# KiCad board 3ric.kicad_pcb
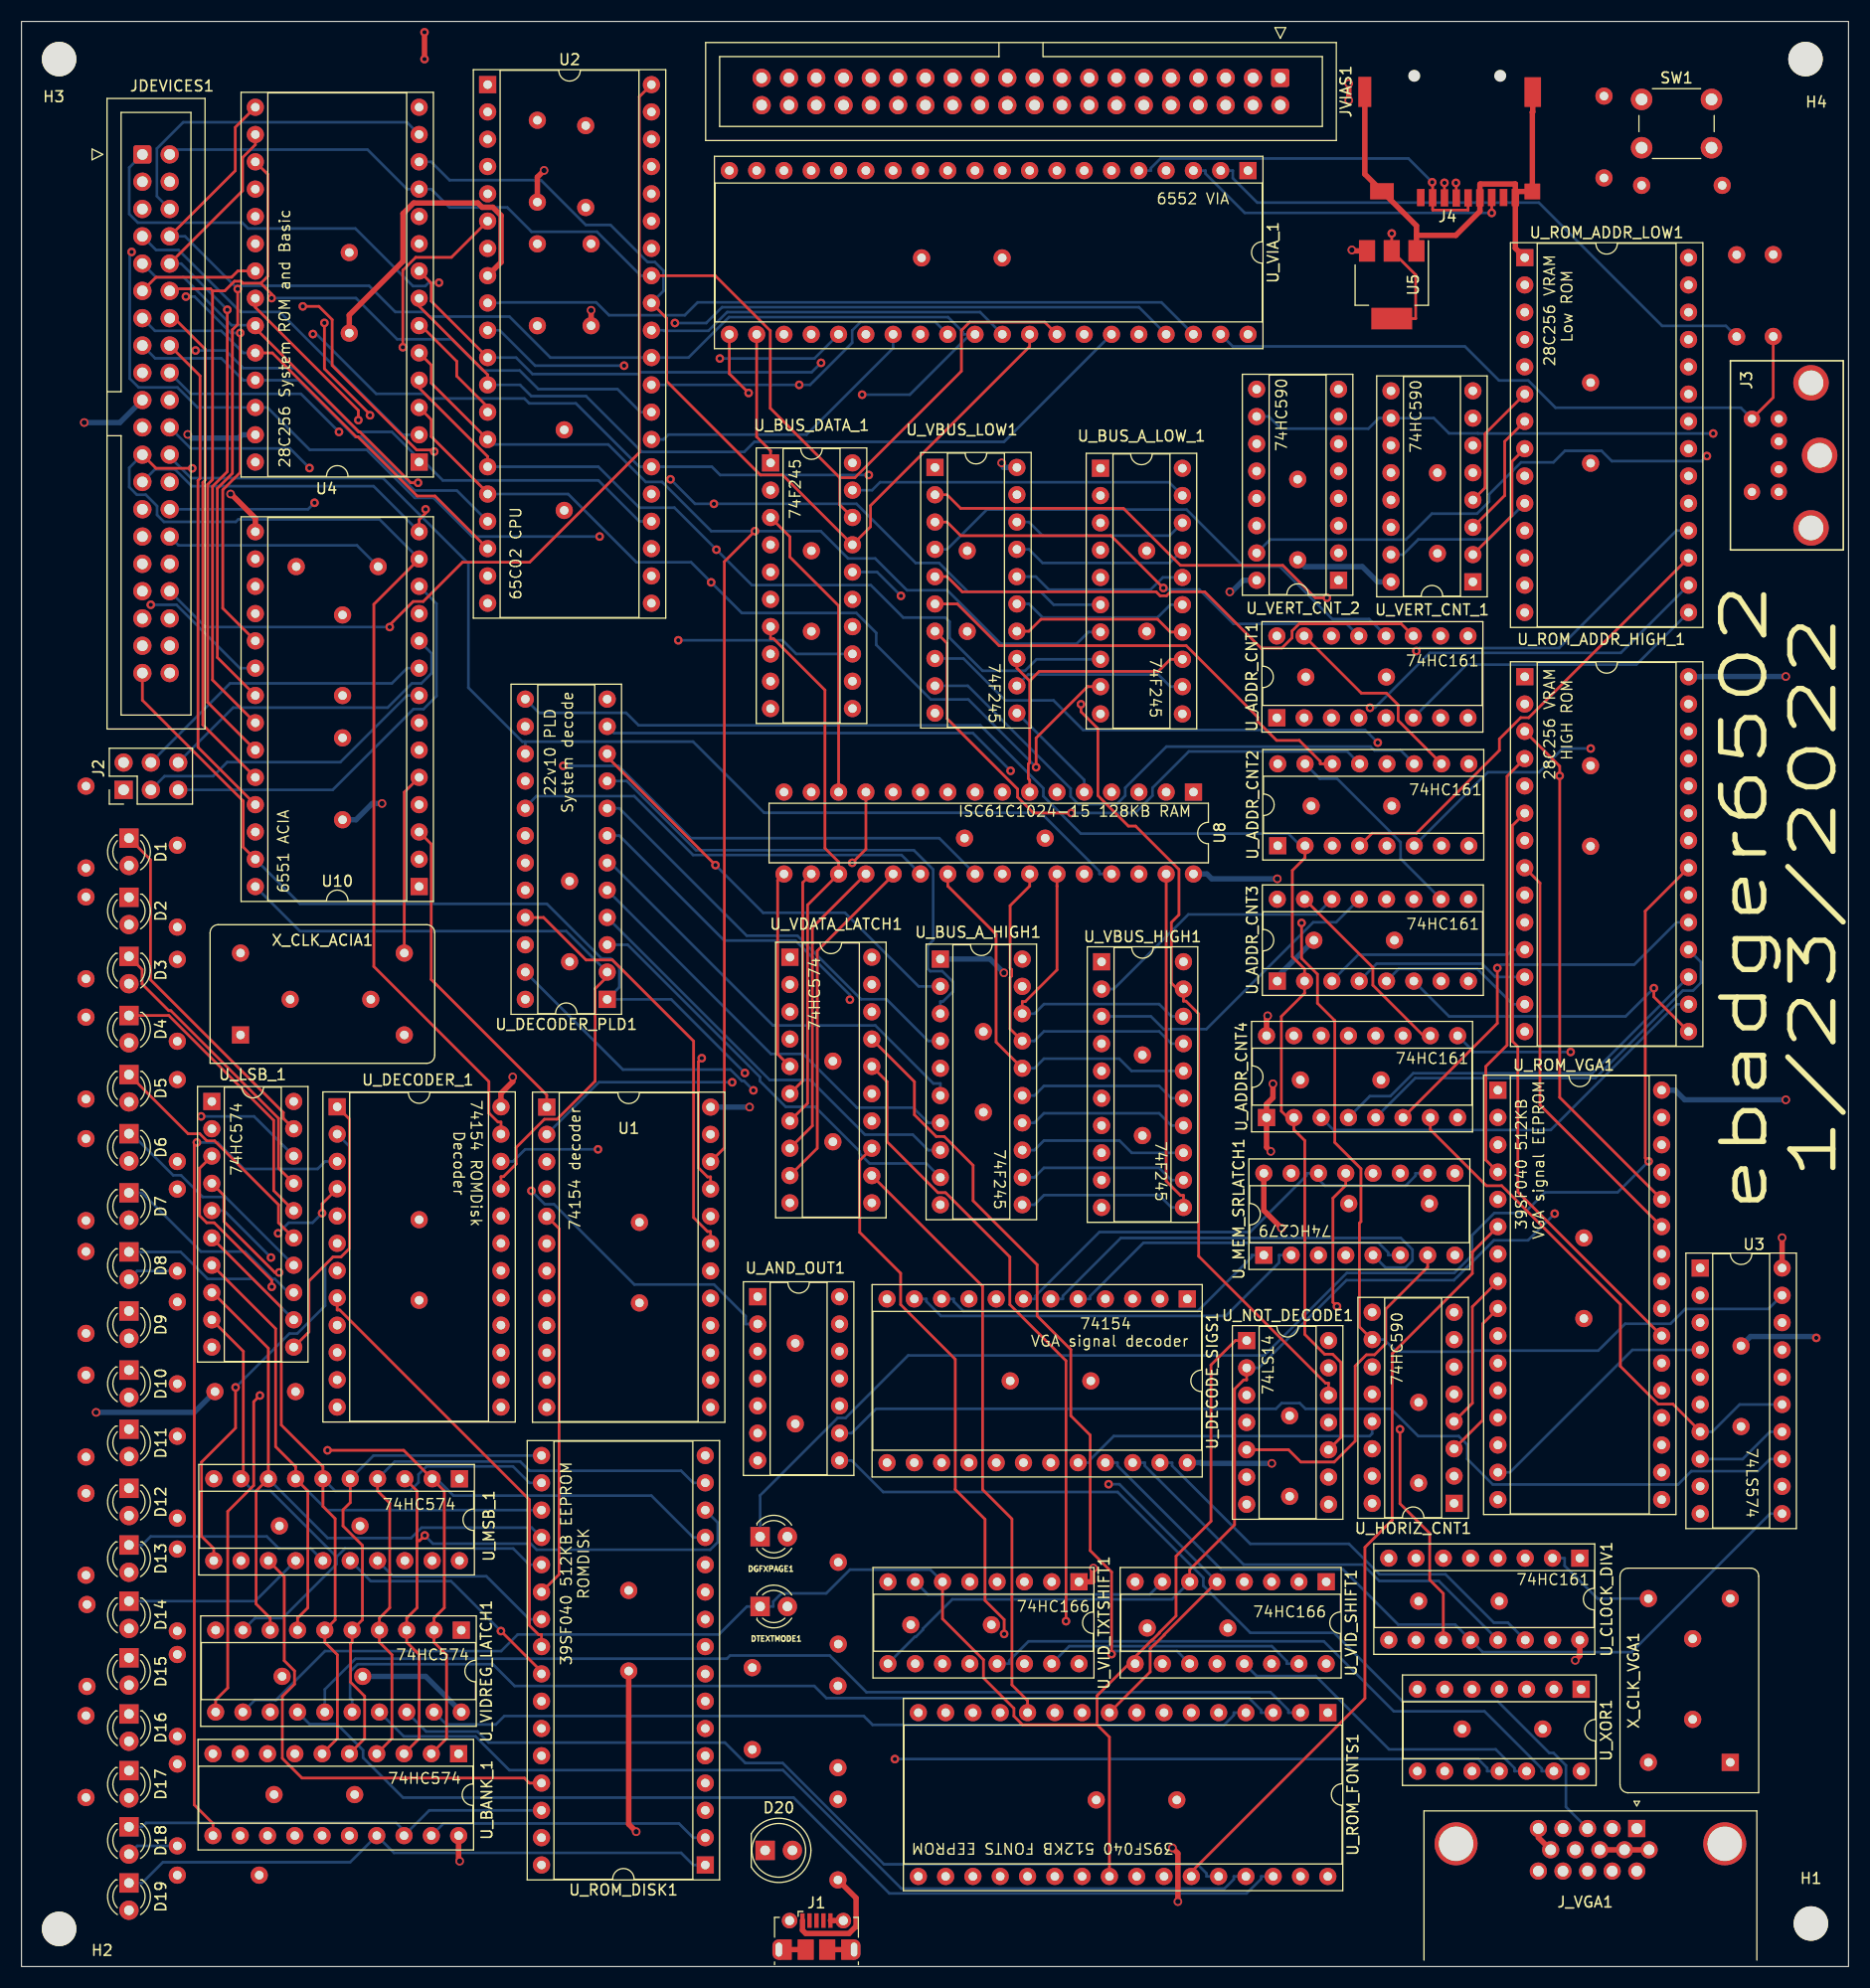
[diagram p0: board, top side]
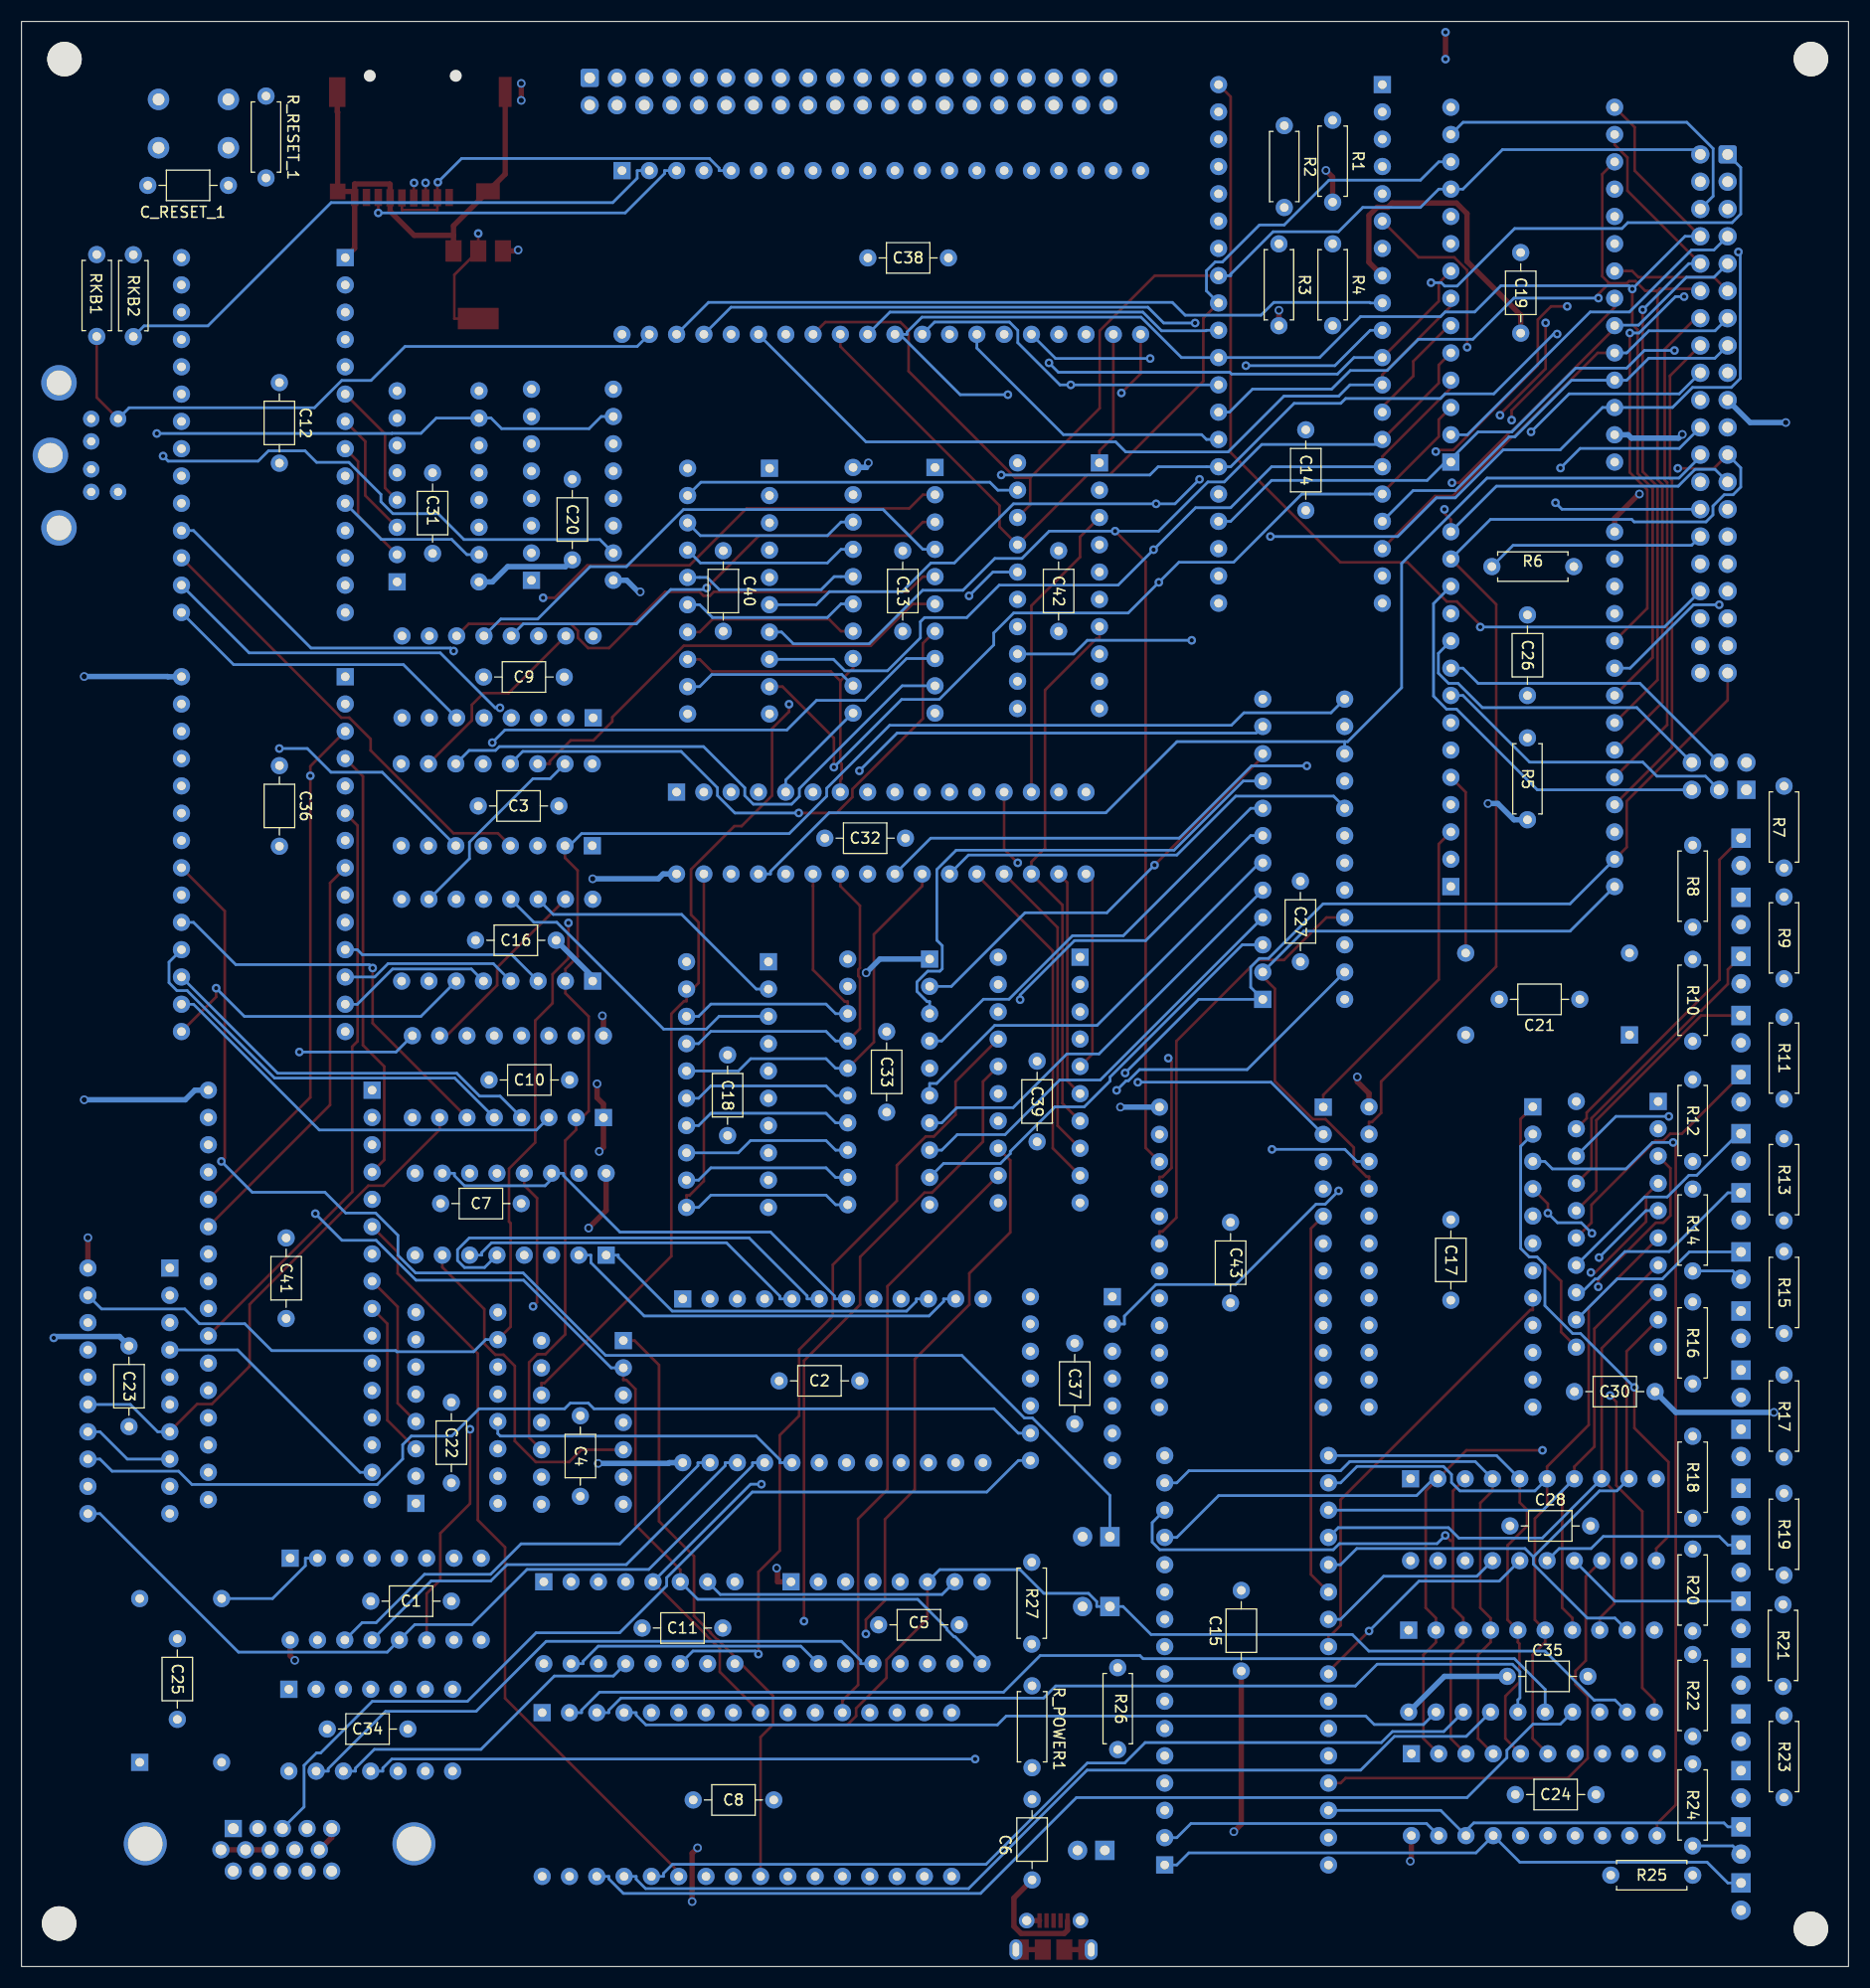
[diagram p1: board, bottom side, seen from below]

Outline 170 x 181 mm; copper layers: Top, In1.Cu, In2.Cu (plane), Bottom. Coordinates in mm from the lower left corner of the outline.
Outline path: rectangle 0,181 170,0
Stack: Top 0.035mm / dielectric 1.51mm FR4 er 4.5 / In1.Cu 0.035mm / dielectric 1.51mm FR4 er 4.5 / In2.Cu 0.035mm / dielectric 1.51mm FR4 er 4.5 / Bottom 0.035mm

## Placement (name value [footprint] x y rotation side)
C1  0.1µF  [C_Axial_L3.8mm_D2.6mm_P7.50mm_Horizontal]  137.5 34 180 bottom
C2  0.1µF  [C_Axial_L3.8mm_D2.6mm_P7.50mm_Horizontal]  99.5 54.5 180 bottom
C3  0.1µF  [C_Axial_L3.8mm_D2.6mm_P7.50mm_Horizontal]  120 108 0 bottom
C4  0.1µF  [C_Axial_L3.8mm_D2.6mm_P7.50mm_Horizontal]  118 51.25 270 bottom
C5  0.1µF  [C_Axial_L3.8mm_D2.6mm_P7.50mm_Horizontal]  90.25 31.8 180 bottom
C6  0.1µF  [C_Axial_L3.8mm_D2.6mm_P7.50mm_Horizontal]  75.97 8.06 90 bottom
C7  0.1µF  [C_Axial_L3.8mm_D2.6mm_P7.50mm_Horizontal]  123.5 71 0 bottom
C8  0.1µF  [C_Axial_L3.8mm_D2.6mm_P7.50mm_Horizontal]  107.5 15.5 180 bottom
C9  0.1µF  [C_Axial_L3.8mm_D2.6mm_P7.50mm_Horizontal]  119.5 120 0 bottom
C10  0.1µ  [C_Axial_L3.8mm_D2.6mm_P7.50mm_Horizontal]  119 82.5 0 bottom
C11  0.1µF  [C_Axial_L3.8mm_D2.6mm_P7.50mm_Horizontal]  112.25 31.5 180 bottom
C12  0.1µF  [C_Axial_L3.8mm_D2.6mm_P7.50mm_Horizontal]  146 147.4 270 bottom
C13  0.1µ  [C_Axial_L3.8mm_D2.6mm_P7.50mm_Horizontal]  88 131.75 270 bottom
C14  0.1µ  [C_Axial_L3.8mm_D2.6mm_P7.50mm_Horizontal]  50.5 143 270 bottom
C15  0.1µ  [C_Axial_L3.8mm_D2.6mm_P7.50mm_Horizontal]  56.5 27.5 90 bottom
C16  0.1µ  [C_Axial_L3.8mm_D2.6mm_P7.50mm_Horizontal]  120.25 95.5 0 bottom
C17  0.1µ  [C_Axial_L3.8mm_D2.6mm_P7.50mm_Horizontal]  37 69.5 270 bottom
C18  0.1µF  [C_Axial_L3.8mm_D2.6mm_P7.50mm_Horizontal]  104.3 84.83 270 bottom
C19  0.1µF  [C_Axial_L3.8mm_D2.6mm_P7.50mm_Horizontal]  30.5 152 90 bottom
C20  0.1µF  [C_Axial_L3.8mm_D2.6mm_P7.50mm_Horizontal]  118.75 130.9 90 bottom
C21  0.1µF  [C_Axial_L3.8mm_D2.6mm_P7.50mm_Horizontal]  25 90 0 bottom
C22  0.1µF  [C_Axial_L3.8mm_D2.6mm_P7.50mm_Horizontal]  130 45 90 bottom
C23  0.1µF  [C_Axial_L3.8mm_D2.6mm_P7.50mm_Horizontal]  160 57.75 270 bottom
C24  0.1µF  [C_Axial_L3.8mm_D2.6mm_P7.50mm_Horizontal]  31 16 180 bottom
C25  0.1µF  [C_Axial_L3.8mm_D2.6mm_P7.50mm_Horizontal]  155.5 23 90 bottom
C26  0.1µF  [C_Axial_L3.8mm_D2.6mm_P7.50mm_Horizontal]  29.88 125.78 270 bottom
C27  0.1µF  [C_Axial_L3.8mm_D2.6mm_P7.50mm_Horizontal]  51 93.5 90 bottom
C28  0.1µF  [C_Axial_L3.8mm_D2.6mm_P7.50mm_Horizontal]  31.5 41 180 bottom
C30  0.1µF  [C_Axial_L3.8mm_D2.6mm_P7.50mm_Horizontal]  18 53.5 0 bottom
C31  0.1µF  [C_Axial_L3.8mm_D2.6mm_P7.50mm_Horizontal]  131.75 131.5 90 bottom
C32  0.1µF  [C_Axial_L3.8mm_D2.6mm_P7.50mm_Horizontal]  95.25 105 180 bottom
C33  0.1µF  [C_Axial_L3.8mm_D2.6mm_P7.50mm_Horizontal]  89.5 87 270 bottom
C34  0.1µF  [C_Axial_L3.8mm_D2.6mm_P7.50mm_Horizontal]  141.55 22.1 180 bottom
C35  0.1µF  [C_Axial_L3.8mm_D2.6mm_P7.50mm_Horizontal]  31.75 27 180 bottom
C36  0.1µF  [C_Axial_L3.8mm_D2.6mm_P7.50mm_Horizontal]  146 111.75 270 bottom
C37  0.1µF  [C_Axial_L3.8mm_D2.6mm_P7.50mm_Horizontal]  72 58 270 bottom
C38  0.1µF  [C_Axial_L3.8mm_D2.6mm_P7.50mm_Horizontal]  83.75 159 0 bottom
C39  0.1µF  [C_Axial_L3.8mm_D2.6mm_P7.50mm_Horizontal]  75.5 84.25 270 bottom
C40  0.1µF  [C_Axial_L3.8mm_D2.6mm_P7.50mm_Horizontal]  104.7 131.75 270 bottom
C41  0.1µF  [C_Axial_L3.8mm_D2.6mm_P7.50mm_Horizontal]  145.38 67.8 270 bottom
C42  0.1µF  [C_Axial_L3.8mm_D2.6mm_P7.50mm_Horizontal]  73.5 131.75 270 bottom
C43  0.1µF  [C_Axial_L3.8mm_D2.6mm_P7.50mm_Horizontal]  57.5 69.25 270 bottom
C_RESET_1  0.1µF  [C_Axial_L3.8mm_D2.6mm_P7.50mm_Horizontal]  158.25 165.75 180 bottom
D1  LED  [LED_D3.0mm]  10 105 270 top
D2  LED  [LED_D3.0mm]  10 99.5 270 top
D3  LED  [LED_D3.0mm]  10 94 270 top
D4  LED  [LED_D3.0mm]  10 88.5 270 top
D5  LED  [LED_D3.0mm]  10 83 270 top
D6  LED  [LED_D3.0mm]  10 77.5 270 top
D7  LED  [LED_D3.0mm]  10 72 270 top
D8  LED  [LED_D3.0mm]  10 66.5 270 top
D9  LED  [LED_D3.0mm]  10 61 270 top
D10  LED  [LED_D3.0mm]  10 55.5 270 top
D11  LED  [LED_D3.0mm]  10 50 270 top
D12  LED  [LED_D3.0mm]  10 44.5 270 top
D13  LED  [LED_D3.0mm]  10 39.22 270 top
D14  LED  [LED_D3.0mm]  10 34 270 top
D15  LED  [LED_D3.0mm]  10 28.72 270 top
D16  LED  [LED_D3.0mm]  10 23.5 270 top
D17  LED  [LED_D3.0mm]  10 18.22 270 top
D18  LED  [LED_D3.0mm]  10 13 270 top
D19  LED  [LED_D3.0mm]  10 7.78 270 top
D20  LED  [LED_D5.0mm]  69.19 10.81 0 top
DGFXPAGE1  LED  [LED_D3.0mm]  68.72 40 0 top
DTEXTMODE1  LED  [LED_D3.0mm]  68.72 33.5 0 top
H1  MountingHole  [MountingHole_3.2mm_M3]  166.5 4 0 top
H2  MountingHole  [MountingHole_3.2mm_M3]  3.5 3.5 0 top
H3  MountingHole  [MountingHole_3.2mm_M3]  3.5 177.5 0 top
H4  MountingHole  [MountingHole_3.2mm_M3]  166 177.5 0 top
J1  USB_B_Micro  [USB_Micro-B_Molex-105017-0001]  73.97 2.81 0 top
J2  Conn_02x03_Odd_Even  [PinHeader_2x03_P2.54mm_Vertical]  9.5 109.5 90 top
J3  PS/2 keyboard  [MINI-DIN-6-FULL-SHIELD]  172.01 140.62 270 top
J4  Micro_SD_Card  [microSD_Amazon2]  132.87 172.73 180 top
J_VGA1  DB15_Female_HighDensity  [DSUB-15-HD_Female_Horizontal_P2.29x1.98mm_EdgePinOffset8.35mm_Housed_MountingHolesOffset10.89mm]  150.3 12.84 0 top
JDEVICES1  Conn_02x20_Top_Bottom  [IDC-Header_2x20_P2.54mm_Vertical]  11.25 168.63 0 top
JVIAS1  Conn_02x20_Top_Bottom  [IDC-Header_2x20_P2.54mm_Vertical]  117.13 175.75 270 top
R1  1K  [R_Axial_DIN0207_L6.3mm_D2.5mm_P7.62mm_Horizontal]  48 171.81 270 bottom
R2  1K  [R_Axial_DIN0207_L6.3mm_D2.5mm_P7.62mm_Horizontal]  52.5 171.31 270 bottom
R3  1K  [R_Axial_DIN0207_L6.3mm_D2.5mm_P7.62mm_Horizontal]  53 160.31 270 bottom
R4  1K  [R_Axial_DIN0207_L6.3mm_D2.5mm_P7.62mm_Horizontal]  48 160.31 270 bottom
R5  1K  [R_Axial_DIN0207_L6.3mm_D2.5mm_P7.62mm_Horizontal]  29.88 114.33 270 bottom
R6  1K  [R_Axial_DIN0207_L6.3mm_D2.5mm_P7.62mm_Horizontal]  33.19 130.28 180 bottom
R7  220  [R_Axial_DIN0207_L6.3mm_D2.5mm_P7.62mm_Horizontal]  6 102.22 90 bottom
R8  220  [R_Axial_DIN0207_L6.3mm_D2.5mm_P7.62mm_Horizontal]  14.5 96.72 90 bottom
R9  220  [R_Axial_DIN0207_L6.3mm_D2.5mm_P7.62mm_Horizontal]  6 91.92 90 bottom
R10  220  [R_Axial_DIN0207_L6.3mm_D2.5mm_P7.62mm_Horizontal]  14.5 93.72 270 bottom
R11  220  [R_Axial_DIN0207_L6.3mm_D2.5mm_P7.62mm_Horizontal]  6 80.72 90 bottom
R12  220  [R_Axial_DIN0207_L6.3mm_D2.5mm_P7.62mm_Horizontal]  14.5 74.92 90 bottom
R13  220  [R_Axial_DIN0207_L6.3mm_D2.5mm_P7.62mm_Horizontal]  6 69.41 90 bottom
R14  220  [R_Axial_DIN0207_L6.3mm_D2.5mm_P7.62mm_Horizontal]  14.5 64.72 90 bottom
R15  220  [R_Axial_DIN0207_L6.3mm_D2.5mm_P7.62mm_Horizontal]  6 58.91 90 bottom
R16  220  [R_Axial_DIN0207_L6.3mm_D2.5mm_P7.62mm_Horizontal]  14.5 54.22 90 bottom
R17  220  [R_Axial_DIN0207_L6.3mm_D2.5mm_P7.62mm_Horizontal]  6 47.41 90 bottom
R18  220  [R_Axial_DIN0207_L6.3mm_D2.5mm_P7.62mm_Horizontal]  14.5 41.72 90 bottom
R19  220  [R_Axial_DIN0207_L6.3mm_D2.5mm_P7.62mm_Horizontal]  6 36.41 90 bottom
R20  220  [R_Axial_DIN0207_L6.3mm_D2.5mm_P7.62mm_Horizontal]  14.5 31.22 90 bottom
R21  220  [R_Axial_DIN0207_L6.3mm_D2.5mm_P7.62mm_Horizontal]  6.09 26.07 90 bottom
R22  220  [R_Axial_DIN0207_L6.3mm_D2.5mm_P7.62mm_Horizontal]  14.5 21.41 90 bottom
R23  220  [R_Axial_DIN0207_L6.3mm_D2.5mm_P7.62mm_Horizontal]  6 15.72 90 bottom
R24  220  [R_Axial_DIN0207_L6.3mm_D2.5mm_P7.62mm_Horizontal]  14.5 11.22 90 bottom
R25  220  [R_Axial_DIN0207_L6.3mm_D2.5mm_P7.62mm_Horizontal]  14.5 8.5 0 bottom
R26  220  [R_Axial_DIN0207_L6.3mm_D2.5mm_P7.62mm_Horizontal]  68 27.81 270 bottom
R27  220  [R_Axial_DIN0207_L6.3mm_D2.5mm_P7.62mm_Horizontal]  76 30 90 bottom
R_POWER1  330  [R_Axial_DIN0207_L6.3mm_D2.5mm_P7.62mm_Horizontal]  75.97 26.12 270 bottom
R_RESET_1  1K  [R_Axial_DIN0207_L6.3mm_D2.5mm_P7.62mm_Horizontal]  147.25 166.44 90 bottom
RKB1  R  [R_Axial_DIN0207_L6.3mm_D2.5mm_P7.62mm_Horizontal]  163 159.31 270 bottom
RKB2  R  [R_Axial_DIN0207_L6.3mm_D2.5mm_P7.62mm_Horizontal]  159.59 151.67 90 bottom
SW1  SW_Push  [SW_PUSH_6mm]  150.75 173.75 0 top
U1  74LS154  [DIP-24_W15.24mm_Socket]  48.88 79.97 0 top
U2  6502-library_65C02S-2  [DIP-40_W15.24mm_Socket]  43.38 175.12 0 top
U3  74LS574  [DIP-20_W7.62mm_Socket]  156.2 65 0 top
U4  28C256  [DIP-28_W15.24mm_Socket]  37 140 180 top
U5  AP1117-33  [SOT-223-3_TabPin2]  127.5 156.5 270 top
U8  EB6502_isc61c1024-15n  [DIP-32_W7.62mm]  109.05 109.29 270 top
U10  6502-library_65C51N  [DIP-28_W15.24mm_Socket]  37 100.5 180 top